# Altium PCB ASK.PcbDoc (part 1 of 2) (continued)
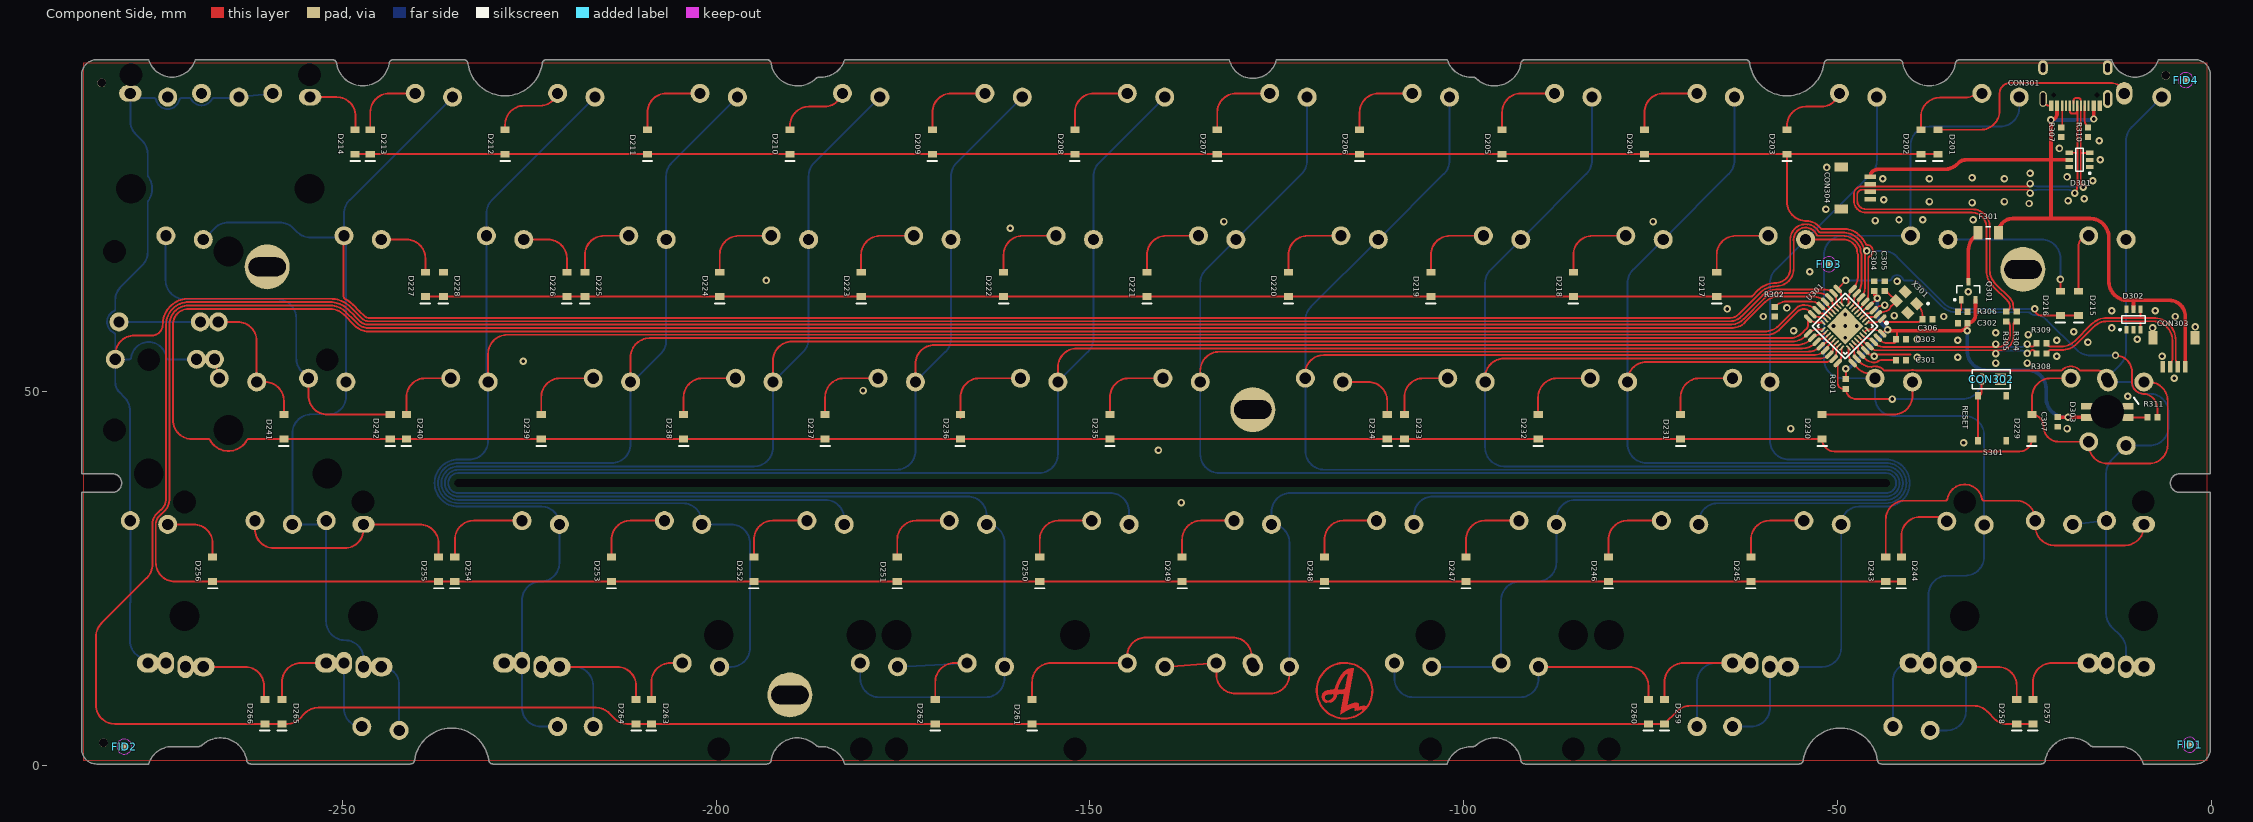
[diagram p0: Component Side view]
## Footprints (in the part's own frame and the unit in brackets; to place one, negate y for a bottom-side part, rotate by r counter-clockwise, add the part's x,y. Pads: shape width x height; smd on the part's side, far side on the other; paste and mask are expansions set on the pad)
Alps-switch#1 [mm]
  oval 3x2.2 hole 1.499 mask+0.102: 1(-2.5,4)
  round 2.54 hole 1.499 mask+0.102: 2(2.5,4.5)
  round 1 on Mech14: ""(0,0)
Alps-switch#2 [mm]
  round 2.54 hole 1.499 mask+0.102: 1(-2.5,4) 2(2.5,4.5)
  round 1 on Mech14: ""(0,0)
"ALPS-switch - 1.5u MOD-L" [mm]
  oval 3x2.54 hole 1.499 mask+0.102: 1(-4.881,4) 2(2.5,4.5)
  oval 2.2x3 hole 1.499 mask+0.102: 1(-2.5,4) 2(0.119,4.5)
  round 1 on Mech14: ""(-2.381,0) ""(0,0)
"ALPS-switch - 1.5u MOD-R" [mm]
  oval 3x2.54 hole 1.499 mask+0.102: 1(-2.5,4) 2(4.881,4.5)
  oval 2.2x3 hole 1.499 mask+0.102: 1(-0.119,4) 2(2.5,4.5)
  round 1 on Mech14: ""(0,0) ""(2.381,0)
"ALPS-switch - backspace" [mil]
  round 100 hole 59 mask+4: 1(98.43,177.17) 1(276.57,157.48) 2(-98.43,157.48)
  oval 118.11x86.61 hole 59 mask+4: 2(473.43,177.17)
  round 60 hole 157.01 unplated: ""(-470,-325) ""(470,-325)
  round 60 hole 120 unplated: ""(-470,275) ""(470,275)
  round 39.37 on Mech14: ""(0,0) ""(375,0)
"ALPS-switch - CAPS" [mm]
  round 2.54 hole 1.499 mask+0.102: 1(-7.263,4) 1(0.119,-4) 1(2.5,4.5) 2(-4.881,-4.5) 2(-2.5,4) 2(-2.262,4.5)
  round 1 on Mech14: ""(-4.763,0) ""(-2.381,0) ""(0,0)
"ALPS-switch - L split space_V3" [mil]
  round 100 hole 59 mask+4: 1(473.43,-157.48) 2(276.57,-177.17)
  round 60 hole 157.01 unplated: ""(-95,-325)
  round 60 hole 120 unplated: ""(-95,275)
  round 39.37 on Mech14: ""(375,0)
"ALPS-SWITCH - L_ALT - V3" [mm]
  oval 3x2.54 hole 1.499 mask+0.102: 1(-4.881,4) 2(2.5,4.5)
  oval 2.2x3 hole 1.499 mask+0.102: 1(-2.5,4) 2(0.119,4.5)
  round 2.54 hole 1.499 mask+0.102: 1(2.5,-4) 2(7.263,-4)
  round 1 on Mech14: ""(-2.381,0.048) ""(0,0) ""(4.763,0)
"ALPS-switch - L_WIN - V3" [mm]
  oval 3x2.54 hole 1.499 mask+0.102: 1(-4.881,4) 2(2.5,4.5)
  oval 2.2x3 hole 1.499 mask+0.102: 1(-2.5,4) 2(0.119,4.5)
  round 2.54 hole 1.499 mask+0.102: 1(-0.119,-4.5) 2(4.881,-4)
  round 1 on Mech14: ""(-2.381,0) ""(0,0) ""(2.381,0)
"ALPS-switch - Left shift v2" [mil]
  oval 118.11x86.61 hole 59 mask+4: 1(-473.43,157.48)
  round 100 hole 59 mask+4: 1(98.43,177.17) 2(-276.57,177.17) 2(-98.43,157.48)
  round 60 hole 157.01 unplated: ""(-470,-325) ""(470,-325)
  round 60 hole 120 unplated: ""(-470,275) ""(470,275)
  round 39.37 on Mech14: ""(-375,0) ""(0,0)
"ALPS-switch - R split space_V3" [mil]
  round 100 hole 59 mask+4: 1(98.43,-157.48) 2(-98.43,-177.17)
  round 60 hole 157.01 unplated: ""(-470,-325) ""(470,-325)
  round 60 hole 120 unplated: ""(-470,275) ""(470,275)
  round 39.37 on Mech14: ""(0,0)
"ALPS-SWITCH - R_ALT - V3" [mm]
  round 2.54 hole 1.499 mask+0.102: 1(-7.025,-4) 2(-2.262,-4)
  oval 3x2.54 hole 1.499 mask+0.102: 1(-2.5,4) 2(4.881,4.5)
  oval 2.2x3 hole 1.499 mask+0.102: 1(-0.119,4) 2(2.5,4.5)
  round 1 on Mech14: ""(-4.763,0) ""(0,0) ""(2.381,0)
"ALPS-switch - R_WIN V3" [mm]
  round 2.54 hole 1.499 mask+0.102: 1(-4.881,-4.5) 2(0.119,-4)
  oval 3x2.54 hole 1.499 mask+0.102: 1(-2.5,4) 2(4.881,4.5)
  oval 2.2x3 hole 1.499 mask+0.102: 1(-0.119,4) 2(2.5,4.5)
  round 1 on Mech14: ""(-2.381,0) ""(0,0) ""(2.381,0)
"ALPS-switch - right shift - stabs" [mil]
  round 100 hole 59 mask+4: 1(-276.57,177.17) 1(-98.43,157.48) 2(98.43,177.17)
  oval 118.11x86.61 hole 59 mask+4: 2(-473.43,157.48)
  round 60 hole 157.01 unplated: ""(-470,-325) ""(470,-325)
  round 60 hole 120 unplated: ""(-470,275) ""(470,275)
  round 39.37 on Mech14: ""(-375,0) ""(0,0)
"ALPS-switch - Space_V3" [mil]
  round 100 hole 59 mask+4: 1(-754.97,157.48) 1(-370.32,177.17) 1(-98.43,157.48) 2(-567.18,157.48) 2(-558.12,177.17) 2(98.43,177.17)
  round 60 hole 120 unplated: ""(-2437.4,-275) ""(-2250,-275) ""(1499.61,-275) ""(2250,-275)
  round 60 hole 157.01 unplated: ""(-2437.4,325) ""(-2250,325) ""(1499.61,325) ""(2250,325)
  round 39.37 on Mech14: ""(-656.55,0) ""(-468.75,0) ""(0,0)
"Alps-switch - switched pol"#1 [mm]
  oval 2.2x3 hole 1.499 mask+0.102: 1(2.5,4.5)
  round 2.54 hole 1.499 mask+0.102: 2(-2.5,4)
  round 1 on Mech14: ""(0,0)
"Alps-switch - switched pol"#2 [mm]
  round 2.54 hole 1.499 mask+0.102: 1(2.5,4.5) 2(-2.5,4)
  round 1 on Mech14: ""(0,0)
ATMEGA32U2-COMBO [mm]
  oval 1.4x0.55 smd: 1(-4.2,2.8) 2(-4.2,2) 3(-4.2,1.2) 4(-4.2,0.4) 5(-4.2,-0.4) 6(-4.2,-1.2) 7(-4.2,-2) 8(-4.2,-2.8) 17(4.2,-2.8) 18(4.2,-2) 19(4.2,-1.2) 20(4.2,-0.4) 21(4.2,0.4) 22(4.2,1.2) 23(4.2,2) 24(4.2,2.8)
  oval 0.85x0.25 smd: 1(-2.4,1.75) 2(-2.4,1.25) 3(-2.4,0.75) 4(-2.4,0.25) 5(-2.4,-0.25) 6(-2.4,-0.75) 7(-2.4,-1.25) 8(-2.4,-1.75) 17(2.4,-1.75) 18(2.4,-1.25) 19(2.4,-0.75) 20(2.4,-0.25) 21(2.4,0.25) 22(2.4,0.75) 23(2.4,1.25) 24(2.4,1.75)
  oval 0.55x1.4 smd: 9(-2.8,-4.2) 10(-2,-4.2) 11(-1.2,-4.2) 12(-0.4,-4.2) 13(0.4,-4.2) 14(1.2,-4.2) 15(2,-4.2) 16(2.8,-4.2) 25(2.8,4.2) 26(2,4.2) 27(1.2,4.2) 28(0.4,4.2) 29(-0.4,4.2) 30(-1.2,4.2) 31(-2,4.2) 32(-2.8,4.2)
  oval 0.25x0.85 smd: 9(-1.75,-2.4) 10(-1.25,-2.4) 11(-0.75,-2.4) 12(-0.25,-2.4) 13(0.25,-2.4) 14(0.75,-2.4) 15(1.25,-2.4) 16(1.75,-2.4) 25(1.75,2.4) 26(1.25,2.4) 27(0.75,2.4) 28(0.25,2.4) 29(-0.25,2.4) 30(-0.75,2.4) 31(-1.25,2.4) 32(-1.75,2.4)
  rect 3.5x3.5 smd: 28(0,0)
  silkscreen extent -4.32,-3.1 3.1,3.75, body extent -2.51,-2.51 2.51,2.51, height 1
C0603[1608] [mm] "Chip Resistor, 2-Leads, Body 1,57x0,80mm, IPC Medium Density"
  rect 0.8x0.85 smd: 1(-0.65,0) 2(0.65,0)
  body extent -0.83,-0.43 0.82,0.43, height 0.5
C1206[3216] [mm]
  rect 1.2x1.8 smd: 1(-1.35,0) 2(1.35,0)
  silkscreen extent -0.35,-0.8 0.35,0.8, body extent -1.6,-0.9 1.6,0.9, height 1.2
Fiducial_Nordic [mm]
  round 1 smd paste+0 mask+0.5: 0(0,0)
  Component Side keep-out circle w0.01: c0,0 r1
HDR1X2 [mm] "Connector; Header; 2 Position"
  rect 1.5x1.5 hole 0.9 mask+0.102: 1(0,0)
  round 1.5 hole 0.9 mask+0.102: 2(2.54,0)
  silkscreen extent -1.27,-1.27 3.81,1.27
"JST SM04B-SRSS-TB" [mm]
  rect 0.6x1.55 smd: 1(-1.5,3.875) 2(-0.5,3.875) 3(0.5,3.875) 4(1.5,3.875)
  rect 1.2x1.8 smd: 5(-2.8,0) 5(2.8,0)
  body extent -3.01,-0.76 2.99,4.19, height 3.25
R0603[1608] [mm] "Chip Resistor, 2-Leads, Body 1,57x0,80mm, IPC Medium Density"
  rect 0.8x0.85 smd: 1(-0.65,0) 2(0.65,0)
  body extent -0.83,-0.43 0.82,0.43, height 0.5
SK6812MINI-E [mm]
  rect 1.5x0.9 smd: 1(2.75,0.75) 2(2.75,-0.75) 3(-2.75,-0.75) 4(-2.75,0.75)
  round 1 hole 4.5 unplated: ""(0,0)
  silkscreen extent -4.19,-1.91 -3.56,-1.02, body extent -2.94,-1.4 2.94,1.4, height 0.94
SOD-123 [mm]
  rect 0.91x1.22 smd: 1(1.635,0) 2(-1.635,0)
  silkscreen extent -2.54,-0.64 -2.54,0.63, body extent -1.87,-0.85 1.88,0.85, height 1.2
SOT-23-3 [mm] "3.3v regulator, used in Windsond S2 proto 1"
  rect 1x0.55 smd: 1(-1.2,0.95) 2(-1.2,-0.95) 3(1.2,0)
  silkscreen extent -1.32,-1.55 0.7,1.95, body extent -1.45,-1.5 1.1,1.5, height 1
SOT-23-6 [mm]
  rect 1x0.55 smd: 1(-1.375,0.95) 2(-1.375,0) 3(-1.375,-0.95) 4(1.375,-0.95) 5(1.375,0) 6(1.375,0.95)
  silkscreen extent -1.5,-1.55 0.46,1.92, body extent -1.37,-1.44 1.47,1.49, height 1.05
TYPE-C-31-M-12 [mm]
  rect 0.6x1.45 smd: A1B12(-3.25,0) A4B9(-2.45,0) B1A12(3.25,0) B4A9(2.45,0)
  rect 0.3x1.45 smd: A5(-1.25,0) A6(-0.25,0) A7(0.25,0) A8(1.25,0) B5(1.75,0) B6(0.75,0) B7(-0.75,0) B8(-1.75,0)
  oval 1.3x2.4 hole 0.6 slot 1.7 at 90 deg: S1(-4.32,-0.915)
  oval 1.3x2 hole 0.6 slot 1.2 at 90 deg: S1(-4.32,-5.095) S1(4.32,-5.095)
  oval 1x2.1 hole 0.6 slot 1.7 at 90 deg: S1(4.32,-0.915)
  round 0 hole 0.65 unplated: ""(-2.89,-1.445) ""(2.89,-1.445)
  body extent -4.47,-7.72 4.47,0.18, height 3.21
"XKB Switch" [mm] "XKB Enterprise TS-1187A-C-D-B"
  rect 1x0.75 smd: 1(-3,1.875) 1(3,1.875) 2(-3,-1.875) 2(3,-1.875)
  body extent -3.25,-2.55 3.25,2.55, height 2
XTAL-3225 [mm]
  rect 1.4x1.2 smd: 1(-1.1,-0.85) 2(1.1,-0.85) 3(1.1,0.85) 4(-1.1,0.85)
  silkscreen extent -2.28,-2.03 -2.03,-1.78, body extent -1.6,-1.25 1.6,1.25, height 0.65
? [mil]
  round 100 hole 59 mask+4: 1(-98.43,157.48) 1(104.28,473.62) 1(198.03,473.62) 1(626.43,473.62) 2(98.43,177.17) 2(123.97,276.77) 2(217.72,276.77) 2(646.11,276.77)
  round 60 hole 157.01 unplated: ""(-470,-325) ""(50.2,-94.8) ""(50.2,845.2) ""(470,-325)
  round 60 hole 120 unplated: ""(-470,275) ""(470,275) ""(650.2,-94.8) ""(650.2,845.2)
  round 39.37 on Mech14: ""(0,0) ""(281.45,375.2) ""(375.2,375.2) ""(468.95,375.2)

## Part data
C301: library part Cap, "Capacitor", LCSC MFG="Samsung Electro-Mechanics", LCSC Part #=C15849, MFG=KEMET, MFGPN=C0603C104M5RACTU, MRF.Part=CL10A105KB8NNNC, Version="0603 imperial"
C302: library part Cap, "Capacitor", LCSC MFG="Samsung Electro-Mechanics", LCSC Part #=C19666, MRF.Part=CL10A475KO8NNNC
C303 C304 C307: library part Cap, "Capacitor", LCSC MFG=YAGEO, LCSC Part #=C14663, MFG=KEMET, MFGPN=C0603C104M5RACTU, MRF.Part=CC0603KRX7R9BB104, Version="0603 imperial"
C305 C306: library part Cap, "Capacitor", LCSC MFG="Samsung Electro-Mechanics", LCSC Part #=C1644, MRF.Part=CL10C150JB8NNNC, Version="0603 imperial"
CON301: LCSC MFG="Korean Hroparts Elec", LCSC Part #=C165948, MFG="Korean Hroparts Elec", MFGPN=TYPE-C-31-M-12, MRF.Part=TYPE-C-31-M-12
CON302: "Header, 2-Pin"
CON303: "Header, 5-Pin", LCSC MFG="JST Sales America", LCSC Part #=C160404, MFG="JST Sales America Inc.", MFGPN=SM04B-SRSS-TB(LF)(SN), MRF.Part=SM04B-SRSS-TB(LF)(SN)
CON304: "JST for USB daughter board", LCSC MFG="JST Sales America", LCSC Part #=C160404, MFG="JST Sales America Inc.", MFGPN=SM04B-SRSS-TB(LF)(SN), MRF.Part=SM04B-SRSS-TB(LF)(SN)
D201 D202 D203 D204 D205 D206 D207 D208 D209 D210 D211 D212 D213 D214 D215 D216 D217 D218 D219 D220 D221 D222 D223 D224 D225 D226 D227 D228 D229 D230 D231 D232 D233 D234 D235 D236 D237 D238 D239 D240 D241 D242 D243 D244 D245 D246 D247 D248 D249 D250 D251 D252 D253 D254 D255 D256 D257 D258 D259 D260 D261 D262 D263 D264 D265 D266: "Default Diode", LCSC MFG=ST(Semtech), LCSC Part #=C81598, MRF.Part=1N4148W, Version=SOD-123
D301 D302: LCSC MFG="ProTek Devices", LCSC Part #=C85364, MRF.Part=SRV05-4-P-T7
D303: LCSC MFG=TONYU, LCSC Part #=C524051, MRF.Part=DY-S352818/RGBC/6812-2T
F301: "Thermal Fuse", LCSC MFG="Shenzhen JDT Fuse", LCSC Part #=C135338, MFG="Bel Fuse Inc.", MFGPN=0ZCJ0050FF2G, MRF.Part=ASMD1206-050
Q301: "P-Channel Power MOSFET", LCSC MFG="Vishay Intertech", LCSC Part #=C10487, MRF.Part=SI2301CDS-T1-GE3, Version=SOT23-3
R301 R302 R306: "Resistor", LCSC MFG="Uniroyal Elec", LCSC Part #=C25804, MFG="Panasonic Electronic Components", MFGPN=ERJ-3EKF5101V, MRF.Part=0603WAF1002T5E, Version="0603 imperial"
R304 R305 R308 R309: "Resistor", LCSC MFG="Uniroyal Elec", LCSC Part #=C23345, MFG="Panasonic Electronic Components", MFGPN=ERJ-3EKF5101V, MRF.Part=0603WAF220JT5E, Version="0603 imperial"
R307 R310: "Resistor", LCSC MFG="Uniroyal Elec", LCSC Part #=C23186, MFG="Panasonic Electronic Components", MFGPN=ERJ-3EKF5101V, MRF.Part=0603WAF5101T5E, Version="0603 imperial"
R311: "Resistor", LCSC MFG="UNI-ROYAL(Uniroyal Elec)", LCSC Part #=C23179, MFG="Panasonic Electronic Components", MFGPN=ERJ-3EKF5101V, MRF.Part=0603WAF4700T5E, Version="0603 imperial"
S201 S202 S203 S204 S205 S206 S207 S208 S209 S210 S211 S212 S213 S214 S216 S217 S218 S219 S220 S221 S222 S223 S224 S225 S226 S227 S228 S228_2 S229 S230 S231 S232 S233 S234 S235 S236 S237 S238 S239 S240 S241 S242 S243 S244 S245 S246 S247 S248 S249 S250 S251 S252 S253 S254 S256 S257 S258 S259 S260 S261_1 S261_2 S262 S263_1 S263_2 S264 S265 S266 S269: library part SW-PB, "Switch"
S215: library part SW-PB, "TAB"
S301: "Switch", LCSC MFG="XKB Enterprise", LCSC Part #=C318888, MFG=C&K, MFGPN="PTS645SM43SMTR92 LFS", MRF.Part=TS-1187A-C-D-B
U301: LCSC MFG="Microchip Tech", LCSC Part #=C57345, MFG="Microchip Technology", MFGPN=ATMEGA32U2-AUR, MRF.Part=ATMEGA32U2-MU
X301: "Crystal Oscillator", LCSC MFG="Yangxing Tech", LCSC Part #=C13738, MRF.Part=X322516MLB4SI

## Free pads (board coordinates)
  round 1.152 hole 1.152 unplated paste+0.148 mask+0.148: ""(-282.194,91.313) ""(-281.94,3.048) ""(-6.096,92.329)
  round 6 hole 2.5 slot 5 at 0 deg: ""(-260.05,66.715) ""(-190.119,9.45) ""(-128.212,47.614) ""(-25.2,66.365)
  round 0 hole 1 slot 192 at 0 deg unplated: ""(-139,37.79)

## Via types
v1: diameter 1, hole 0.5, Component Side to Bottom Layer, tented both sides, 88 vias
v2: diameter 1, hole 0.5, Component Side to Bottom Layer, tented bottom, 5 vias

## Nets (pads, with @x,y where several pads share a name; then routed paths per layer and width w, separated by ;. In a path a pad name is that pad's centre, name@x,y a point inside that pad or via, vN(x,y) a via of type N, cw(c..) or ccw(c..) an arc to the next point about the centre after c; other vN are vias at no path point)
col1: S201.2 S215.2 S229.2 S243.2 S257.1 U301.26 | length 132.2
  Component Side w0.254: U301.26@-48.171,56.217 -48.076,56.122 cw(c-48.825,55.372) -47.765,55.372 -47.765,55.227 ccw(c-46.615,55.227) U301.26@-47.428,54.414 ; U301.26@-47.148,54.077 -47.089,54.018 ccw(c-45.457,55.651) -45.457,53.342 cw(c-44.987,51.815) -43.827,52.912 ccw(c-43.642,53.086) -43.642,52.832 -42.761,52.832 -42.545,52.832 -40.526,52.832 ccw(c-40.526,53.086) -40.452,52.843 cw(c-39.987,51.315) -39.523,52.843 ccw(c-39.449,53.086) -39.449,52.832 -20.139,52.832 ccw(c-20.139,53.086) -19.955,52.912 cw(c-18.794,51.815) -17.633,52.912 ccw(c-17.448,53.086) -17.448,52.832 -15.048,52.832 cw(c-15.048,51.815) S229.2@-14.031,51.815
  Bottom Layer w0.254: S243.2@-18.556,32.265 S243.2@-14.071,32.761 ; S243.2@-14.031,32.765 S243.2@-14.071,32.761 ; S229.2@-14.031,51.815 -12.156,53.69 ccw(c-13.952,55.486) -11.412,55.486 S215.2@-11.412,70.365 -11.412,83.6 cw(c-8.872,83.6) -10.669,85.396 S201.2@-6.65,89.415 ; S229.2@-13.794,51.315 -10.866,51.315 cw(c-10.865,51.061) -10.613,51.096 ccw(c-9.031,51.315) -9.307,49.742 ccw(c-9.031,51.315) -8.775,49.739 cw(c-8.734,49.488) -8.733,49.742 -8.255,49.742 cw(c-8.255,47.202) -5.715,47.202 -5.715,45.355 cw(c-8.255,45.355) -8.255,42.815 S229.2@-11.412,42.815 -13.327,40.9 ccw(c-11.531,39.104) -14.071,39.104 S243.2@-14.071,32.761 ; S257.1@-11.412,13.215 -11.412,15.567 ccw(c-13.952,15.567) -12.156,17.363 -13.327,18.534 cw(c-11.531,20.33) -14.071,20.33 S243.2@-14.071,32.761
col2: S202.2 S216.2 S230.2 S244.1 S258.2 U301.25 | length 137.4
  Component Side w0.254: U301.25@-48.524,55.863 -48.524,55.128 ccw(c-46.714,55.128) U301.25@-47.994,53.848 -47.285,53.139 ccw(c-45.489,54.935) -45.489,52.395 S230.2@-45.027,52.395
  Bottom Layer w0.254: S258.2@-42.606,5.215 -42.606,11.334 cw(c-40.224,11.334) S258.2@-40.224,13.715 ; S258.2@-37.843,13.715 -37.843,22.86 cw(c-35.303,22.86) -35.303,25.4 -32.933,25.4 ccw(c-32.933,27.94) -30.393,27.94 S244.1@-30.393,32.194 -30.393,44.196 ccw(c-32.933,44.196) -32.933,46.736 -42.447,46.736 cw(c-42.447,49.276) -44.987,49.276 S230.2@-44.987,51.815 -49.276,51.815 cw(c-49.276,54.355) -51.816,54.355 -51.816,68.325 cw(c-49.276,68.325) -49.276,70.865 S216.2@-40.225,70.865 -40.225,82.931 cw(c-37.685,82.931) -37.685,85.471 -28.24,85.471 ccw(c-28.24,88.011) -25.7,88.011 S202.2@-25.7,89.415
col3: S203.2 S217.2 S231.2 S245.2 S260.1 U301.8 | length 138
  Component Side w0.254: S217.2@-54.275,70.365 -49.192,70.365 cw(c-49.192,67.825) -48.767,70.329 ; -48.767,70.329 -48.753,70.325 cw(c-49.349,68.326) -47.594,69.453 cw(c-49.349,68.326) -47.392,69.048 cw(c-47.631,68.961) -47.378,68.94 ccw(c-46.101,68.834) -47.283,68.339 cw(c-47.517,68.241) -47.263,68.24 -47.263,65.512 cw(c-49.759,65.512) U301.8@-47.994,63.747 ccw(c-46.714,62.467) -48.524,62.467 U301.8@-48.524,61.732
  Bottom Layer w0.254: S260.1@-64.037,5.215 -61.577,5.215 ccw(c-61.577,7.755) -59.037,7.755 S260.1@-59.037,13.215 ; S260.1@-56.656,13.215 -52.052,13.215 ccw(c-52.052,15.755) -49.512,15.755 S245.2@-49.512,32.265 cw(c-47.135,32.265) -47.135,34.642 -43.5,34.642 ccw(c-43.5,37.79) -43.5,40.938 -56.497,40.938 cw(c-56.497,43.478) -59.037,43.478 S231.2@-59.037,51.315 -59.037,64.55 cw(c-56.497,64.55) -58.294,66.346 S217.2@-54.275,70.365 -51.716,72.925 -50.255,74.385 -45.494,79.146 ccw(c-47.29,80.942) -44.75,80.942 S203.2@-44.75,89.415
col4: S204.2 S218.2 S232.2 S246.2 U301.23 | length 154.7
  Component Side w0.254: S232.2@-78.087,51.315 -78.087,51.452 cw(c-75.547,51.452) -75.547,53.992 -51.558,53.992 ccw(c-51.558,55.432) U301.23@-50.54,54.414 ccw(c-51.444,55.318) -50.165,55.318 -50.165,55.499 cw(c-49.32,55.499) -49.918,56.096 U301.23@-49.797,56.217
  Bottom Layer w0.254: S246.2@-68.562,32.265 -68.562,32.556 cw(c-66.022,32.556) -66.022,35.096 -43.5,35.096 ccw(c-43.5,37.79) -43.5,40.484 -75.547,40.484 cw(c-75.547,43.024) -78.087,43.024 S232.2@-78.087,51.315 -78.087,64.55 cw(c-75.547,64.55) -77.344,66.346 S218.2@-73.325,70.365 -64.544,79.146 ccw(c-66.34,80.942) -63.8,80.942 S204.2@-63.8,89.415
col5: S205.2 S219.2 S233.2 S247.2 S261_1.2 S261_2.2 U301.22 | length 244.4
  Component Side w0.254: S233.2@-97.137,51.315 -97.137,51.906 cw(c-94.597,51.906) -94.597,54.446 -52.393,54.446 ccw(c-52.393,56.267) U301.22@-51.105,54.979 -50.737,55.347 ccw(c-51.016,55.626) -50.622,55.626 cw(c-49.48,55.626) -50.288,56.434 U301.22@-50.151,56.57
  Bottom Layer w0.254: S261_2.2@-104.281,13.215 -95.493,13.215 ccw(c-95.493,13.715) S261_1.2@-94.993,13.715 -94.993,22.098 cw(c-92.453,22.098) -92.453,24.638 -90.152,24.638 ccw(c-90.152,27.178) -87.612,27.178 S247.2@-87.612,32.265 -87.612,33.01 cw(c-85.072,33.01) -85.072,35.55 -43.5,35.55 ccw(c-43.5,37.79) -43.5,40.03 -94.597,40.03 cw(c-94.597,42.57) -97.137,42.57 S233.2@-97.137,51.315 -97.137,64.55 cw(c-94.597,64.55) -96.394,66.346 S219.2@-92.375,70.365 -83.594,79.146 ccw(c-85.39,80.942) -82.85,80.942 S205.2@-82.85,89.415
col6: S206.2 S220.2 S234.2 S248.2 U301.21 | length 278.6
  Component Side w0.254: S234.2@-121.227,52.395 cw(c-118.723,52.395) -118.723,54.9 -53.228,54.9 ccw(c-53.228,57.102) -51.673,55.543 ccw(c-53.228,57.102) U301.21@-51.671,55.545 cw(c-51.159,55.545) -51.521,55.907 U301.21@-50.504,56.924
  Bottom Layer w0.254: S248.2@-106.662,32.265 -106.662,33.464 cw(c-104.122,33.464) -104.122,36.004 -43.5,36.004 ccw(c-43.5,37.79) -43.5,39.576 -118.647,39.576 cw(c-118.647,42.116) -121.187,42.116 S234.2@-121.187,51.815 -121.187,59.55 cw(c-118.647,59.55) -120.444,61.346 S220.2@-111.425,70.365 -102.644,79.146 ccw(c-104.44,80.942) -101.9,80.942 S206.2@-101.9,89.415
col7: S207.2 S221.2 S235.2 S249.2 S262.1 U301.20 | length 367
  Component Side w0.254: S262.1@-139.999,13.215 S262.1@-133.093,13.715 -133.093,12.192 ccw(c-130.553,12.192) -130.553,9.652 -125.863,9.652 ccw(c-125.863,12.192) -123.323,12.192 S262.1@-123.323,13.215 ; S235.2@-135.237,51.315 -135.237,52.814 cw(c-132.697,52.814) -132.697,55.354 -54.046,55.354 ccw(c-54.046,57.894) -52.251,56.096 ccw(c-54.046,57.894) -52.249,56.098 U301.20@-52.237,56.111 ccw(c-52.237,56.623) -51.875,56.261 U301.20@-50.858,57.277 ; S262.1@-133.443,14.295 S262.1@-133.443,14.605
  Bottom Layer w0.254: S262.1@-123.323,13.215 -123.323,29.876 ccw(c-125.712,29.876) S249.2@-125.712,32.265 -125.712,33.918 cw(c-123.172,33.918) -123.172,36.458 -43.5,36.458 ccw(c-43.5,37.79) -43.5,39.122 -132.697,39.122 cw(c-132.697,41.662) -135.237,41.662 S235.2@-135.237,51.315 -135.237,64.55 cw(c-132.697,64.55) -134.494,66.346 S221.2@-130.475,70.365 -121.694,79.146 ccw(c-123.49,80.942) -120.95,80.942 S207.2@-120.95,89.415
col8: S208.2 S222.2 S236.2 S250.2 U301.19 | length 339.2
  Component Side w0.254: S236.2@-154.287,51.315 -154.287,53.268 cw(c-151.747,53.268) -151.747,55.808 -54.723,55.808 ccw(c-54.723,58.348) -52.927,56.552 U301.19@-52.802,56.676 -52.602,56.877 cw(c-51.943,56.219) -51.943,57.15 ccw(c-51.943,57.755) -51.515,57.327 U301.19@-51.211,57.631
  Bottom Layer w0.254: S250.2@-144.762,32.265 -144.762,33.918 ccw(c-147.302,33.918) -147.302,36.458 -234.5,36.458 cw(c-234.5,37.79) -234.5,39.122 -156.827,39.122 ccw(c-156.827,41.662) -154.287,41.662 S236.2@-154.287,51.315 -150.269,55.334 ccw(c-152.065,57.13) -149.525,57.13 S222.2@-149.525,70.365 -149.525,78.838 cw(c-146.985,78.838) -148.781,80.634 S208.2@-140,89.415
col9: S209.2 S223.2 S237.2 S251.2 S263_1.1 S263_2.2 U301.18 | length 366.9
  Component Side w0.254: S237.2@-173.337,51.315 -173.337,53.722 cw(c-170.797,53.722) -170.797,56.262 -55.4,56.262 ccw(c-55.4,58.802) -53.604,57.006 U301.18@-53.368,57.242 cw(c-52.364,56.238) -52.364,57.658 -52.197,57.658 ccw(c-52.197,58.396) -51.675,57.874 U301.18@-51.565,57.985
  Bottom Layer w0.254: S263_2.2@-180.718,13.715 -180.718,11.684 ccw(c-178.178,11.684) -178.178,9.144 -163.971,9.144 ccw(c-163.971,11.684) -161.431,11.684 S263_1.1@-161.431,13.215 -161.431,29.883 ccw(c-163.812,29.883) S251.2@-163.812,32.265 -163.812,33.464 ccw(c-166.352,33.464) -166.352,36.004 -234.5,36.004 cw(c-234.5,37.79) -234.5,39.576 -175.877,39.576 ccw(c-175.877,42.116) -173.337,42.116 S237.2@-173.337,51.315 -169.319,55.334 ccw(c-171.115,57.13) -168.575,57.13 S223.2@-168.575,70.365 -168.575,78.838 cw(c-166.035,78.838) -167.831,80.634 S209.2@-159.05,89.415
col10: S210.2 S224.2 S238.2 S252.2 U301.17 | length 302.2
  Component Side w0.254: S238.2@-192.387,51.315 -192.387,54.176 cw(c-189.847,54.176) -189.847,56.716 -56.078,56.716 ccw(c-56.078,59.256) -54.282,57.46 U301.17@-53.934,57.808 cw(c-52.653,56.527) -52.653,58.338 U301.17@-51.918,58.338
  Bottom Layer w0.254: S252.2@-182.862,32.265 -182.862,33.01 ccw(c-185.402,33.01) -185.402,35.55 -234.5,35.55 cw(c-234.5,37.79) -234.5,40.03 -194.927,40.03 ccw(c-194.927,42.57) -192.387,42.57 S238.2@-192.387,51.315 -188.369,55.334 ccw(c-190.165,57.13) -187.625,57.13 S224.2@-187.625,70.365 -187.625,78.838 cw(c-185.085,78.838) -186.881,80.634 S210.2@-178.1,89.415
col11: S211.2 S225.2 S239.2 S253.2 S264.2 U301.16 | length 313.2
  Component Side w0.254: S239.2@-211.437,51.315 -211.437,54.63 cw(c-208.897,54.63) -208.897,57.17 -56.475,57.17 ccw(c-56.475,59.71) -54.679,57.914 -54.391,58.201 -54.15,58.443 ccw(c-54.33,58.622) -54.107,58.501 ccw(c-55.375,59.185) -53.934,59.185 U301.16@-53.934,59.788 ccw(c-52.653,61.068) -52.653,59.257 U301.16@-51.918,59.257
  Bottom Layer w0.254: S264.2@-199.934,13.215 S264.2@-199.531,13.215 -197.993,13.215 ccw(c-197.993,15.755) -195.453,15.755 -195.453,29.725 ccw(c-197.993,29.725) -197.993,32.265 S253.2@-201.912,32.265 -201.912,32.556 ccw(c-204.452,32.556) -204.452,35.096 -234.5,35.096 cw(c-234.5,37.79) -234.5,40.484 -213.977,40.484 ccw(c-213.977,43.024) -211.437,43.024 -211.437,51.054 -207.419,55.073 ccw(c-209.215,56.869) -206.675,56.869 S225.2@-206.675,70.365 -206.675,78.838 cw(c-204.135,78.838) -205.931,80.634 S211.2@-197.15,89.415
col12: S212.2 S226.2 S240.2 S254.2 S265.2 U301.15 | length 301.7
  Component Side w0.254: S240.2@-230.487,51.315 -230.487,55.084 cw(c-227.947,55.084) -227.947,57.624 -59.506,57.624 ccw(c-59.506,60.164) -57.71,58.368 -55.32,60.758 cw(c-54.526,59.964) -54.526,61.087 -54.483,61.087 cw(c-54.483,60.166) -53.832,60.817 U301.15@-53.368,60.353 ccw(c-52.555,61.167) -52.555,60.017 -52.324,60.017 cw(c-52.324,59.163) -51.721,59.767 U301.15@-51.565,59.611
  Bottom Layer w0.254: S265.2@-221.199,5.215 -223.422,5.215 cw(c-223.422,7.755) -225.962,7.755 S265.2@-225.962,13.715 -225.962,22.098 cw(c-223.422,22.098) -223.422,24.638 ccw(c-223.422,27.098) -220.962,27.098 S254.2@-220.962,32.265 ccw(c-223.339,32.265) -223.339,34.642 -234.5,34.642 cw(c-234.5,37.79) -234.5,40.938 -233.027,40.938 ccw(c-233.027,43.478) -230.487,43.478 S240.2@-230.487,51.315 cw(c-230.487,51.553) -230.725,51.553 S226.2@-230.725,70.865 -230.725,73.838 cw(c-228.185,73.838) -229.981,75.634 S212.2@-216.2,89.415
col13: S213.2 S227.2 S228.2 S228_2.2 S241.1 S256.1 U301.7 | length 356.6
  Component Side w0.254: S256.1@-252.655,32.265 ccw(c-252.655,32.765) S256.1@-252.155,32.765 ; S227.2@-249.815,71.445 -249.815,62.899 ccw(c-247.699,62.899) -249.798,62.631 ccw(c-249.546,62.662) -249.66,62.436 cw(c-251.623,58.547) -248.542,61.626 -247.699,60.784 -247.022,60.106 ccw(c-246.51,60.618) -246.851,59.98 ccw(c-246.51,60.618) -246.51,59.894 -64.374,59.894 ccw(c-64.374,61.526) -63.22,60.372 -60.351,63.241 cw(c-58.233,61.125) -60.349,63.243 cw(c-58.233,61.125) -59.469,63.852 cw(c-58.233,61.125) -58.233,64.119 ccw(c-58.233,66.484) -55.868,66.484 -55.868,70.236 ccw(c-56.122,70.237) -55.868,70.253 ; -55.868,70.484 ccw(c-54.275,70.365) -55.868,70.254 cw(c-54.275,70.365) -55.694,71.098 cw(c-54.275,70.365) -52.816,71.015 ccw(c-52.585,71.12) -52.585,70.866 -49.349,70.866 cw(c-49.349,68.326) -46.925,69.085 cw(c-47.168,69.01) -46.917,68.97 cw(c-47.168,69.01) -46.917,68.968 ccw(c-46.101,68.834) -46.837,68.457 cw(c-47.063,68.341) -46.809,68.342 cw(c-49.349,68.326) -46.809,68.34 cw(c-49.349,68.326) -46.809,68.326 -46.809,64.676 cw(c-48.922,64.676) -47.428,63.182 ccw(c-46.615,62.369) -47.765,62.369 -47.765,62.103 cw(c-48.535,62.103) -47.991,61.559 U301.7@-48.171,61.379
  Bottom Layer w0.254: S228.2@-268.587,70.365 -267.052,71.9 cw(c-265.256,70.104) -265.256,72.644 -258.354,72.644 cw(c-258.354,70.104) -256.558,71.9 -256.028,71.37 ccw(c-254.232,73.166) -254.232,70.626 -249.836,70.626 ccw(c-250.275,70.865) S227.2@-249.775,70.865 ; S241.1@-247.156,13.215 -247.156,14.305 ccw(c-249.615,14.305) -249.615,16.764 cw(c-249.615,19.304) -252.155,19.304 -252.155,28.702 S256.1@-252.155,32.765 cw(c-252.655,32.765) -252.655,32.265 S256.1@-256.68,32.265 -256.68,44.45 cw(c-254.14,44.45) -254.14,46.99 -251.841,46.99 ccw(c-251.841,49.319) -249.512,49.319 S228_2.2@-249.512,51.315 -249.512,70.23 ccw(c-250.41,70.23) S227.2@-249.775,70.865 ; S241.1@-244.774,13.215 cw(c-244.774,10.834) -242.393,10.834 S241.1@-242.393,4.715 ; S213.2@-235.25,89.415 -249.031,75.634 ccw(c-247.235,73.838) -249.775,73.838 S227.2@-249.775,70.865
col14: S214.2 S242.2 S259.2 S266.2 S269.2 U301.10 | length 361.2
  Component Side w0.254: S242.2@-280.361,54.345 -280.361,54.991 cw(c-277.821,54.991) -277.821,57.531 -275.482,57.531 ccw(c-275.482,59.001) -274.012,59.001 cw(c-270.564,59.001) -273.908,59.841 cw(c-270.564,59.001) -273.075,61.364 cw(c-270.564,59.001) -271.609,62.287 cw(c-270.637,59.455) -270.637,62.449 -251.623,62.449 cw(c-251.623,58.547) -250.641,62.323 cw(c-251.623,58.547) -248.863,61.305 -248.592,61.034 -247.342,59.784 ccw(c-246.51,60.618) -247.329,59.772 ccw(c-246.51,60.618) -246.51,59.44 -64.374,59.44 ccw(c-64.374,61.526) -62.9,60.05 -60.029,62.921 cw(c-58.233,61.125) -58.233,63.665 -51.706,63.665 cw(c-51.706,62.015) U301.10@-50.54,63.182 cw(c-51.444,62.277) -50.165,62.277 -50.165,62.103 ccw(c-49.304,62.103) -49.913,61.494 U301.10@-49.797,61.379 ; S242.2@-267.099,54.345 S242.2@-266.45,51.815
  Bottom Layer w0.254: S259.2@-278.39,90.495 cw(c-278.39,90.108) S259.2@-278.003,90.108 ; S269.2@-278.384,32.765 -278.384,33.345 -278.39,33.345 -278.39,47.468 ccw(c-280.93,47.468) -279.134,49.264 -279.781,49.911 cw(c-278.38,51.312) -280.361,51.312 S242.2@-280.361,54.345 ; S269.2@-278.35,32.765 -278.35,21.847 cw(c-278.384,21.847) -278.384,21.813 -278.384,16.671 ccw(c-276.008,16.671) S266.2@-276.008,14.295 ; S242.2@-269.48,54.345 -273.295,54.345 cw(c-273.295,54.599) -273.548,54.57 ccw(c-275.888,54.3) -278.228,54.57 cw(c-278.481,54.599) -278.481,54.345 S242.2@-280.361,54.345 ; S242.2@-267.099,54.345 S242.2@-266.45,51.815 ; S214.2@-259.3,89.915 S259.2@-263.825,89.415 -263.825,89.281 -267.2,89.281 ccw(c-267.201,89.027) -267.424,89.149 cw(c-268.825,89.915) -270.226,89.149 ccw(c-270.449,89.027) -270.449,89.281 -271.54,89.281 ccw(c-271.54,89.027) -271.788,89.08 cw(c-273.35,89.415) -274.912,89.08 ccw(c-275.16,89.027) -275.161,89.281 -276.819,89.281 cw(c-276.819,91.446) S259.2@-278.35,89.915 -278.35,86.235 ccw(c-275.81,86.235) -277.606,84.439 -276.764,83.597 cw(c-278.56,81.801) -276.101,82.437 cw(c-278.56,81.801) -276.02,81.801 -276.02,80.899 -276.02,78.963 ccw(c-275.766,78.963) -275.972,78.814 cw(c-278.263,77.16) -275.972,75.506 ccw(c-275.766,75.357) -276.02,75.357 -276.02,68.694 cw(c-278.56,68.694) -276.764,66.898 -279.617,64.045 ccw(c-277.821,62.249) -280.361,62.249 -280.361,61.037 cw(c-280.615,61.035) -280.512,60.803 ccw(c-279.861,59.345) -280.748,60.673 ccw(c-279.861,59.345) -280.75,60.672 ccw(c-279.861,59.345) -280.512,57.887 cw(c-280.615,57.655) -280.361,57.653 S242.2@-280.361,54.345